# KiCad board panel.kicad_pcb (continued)
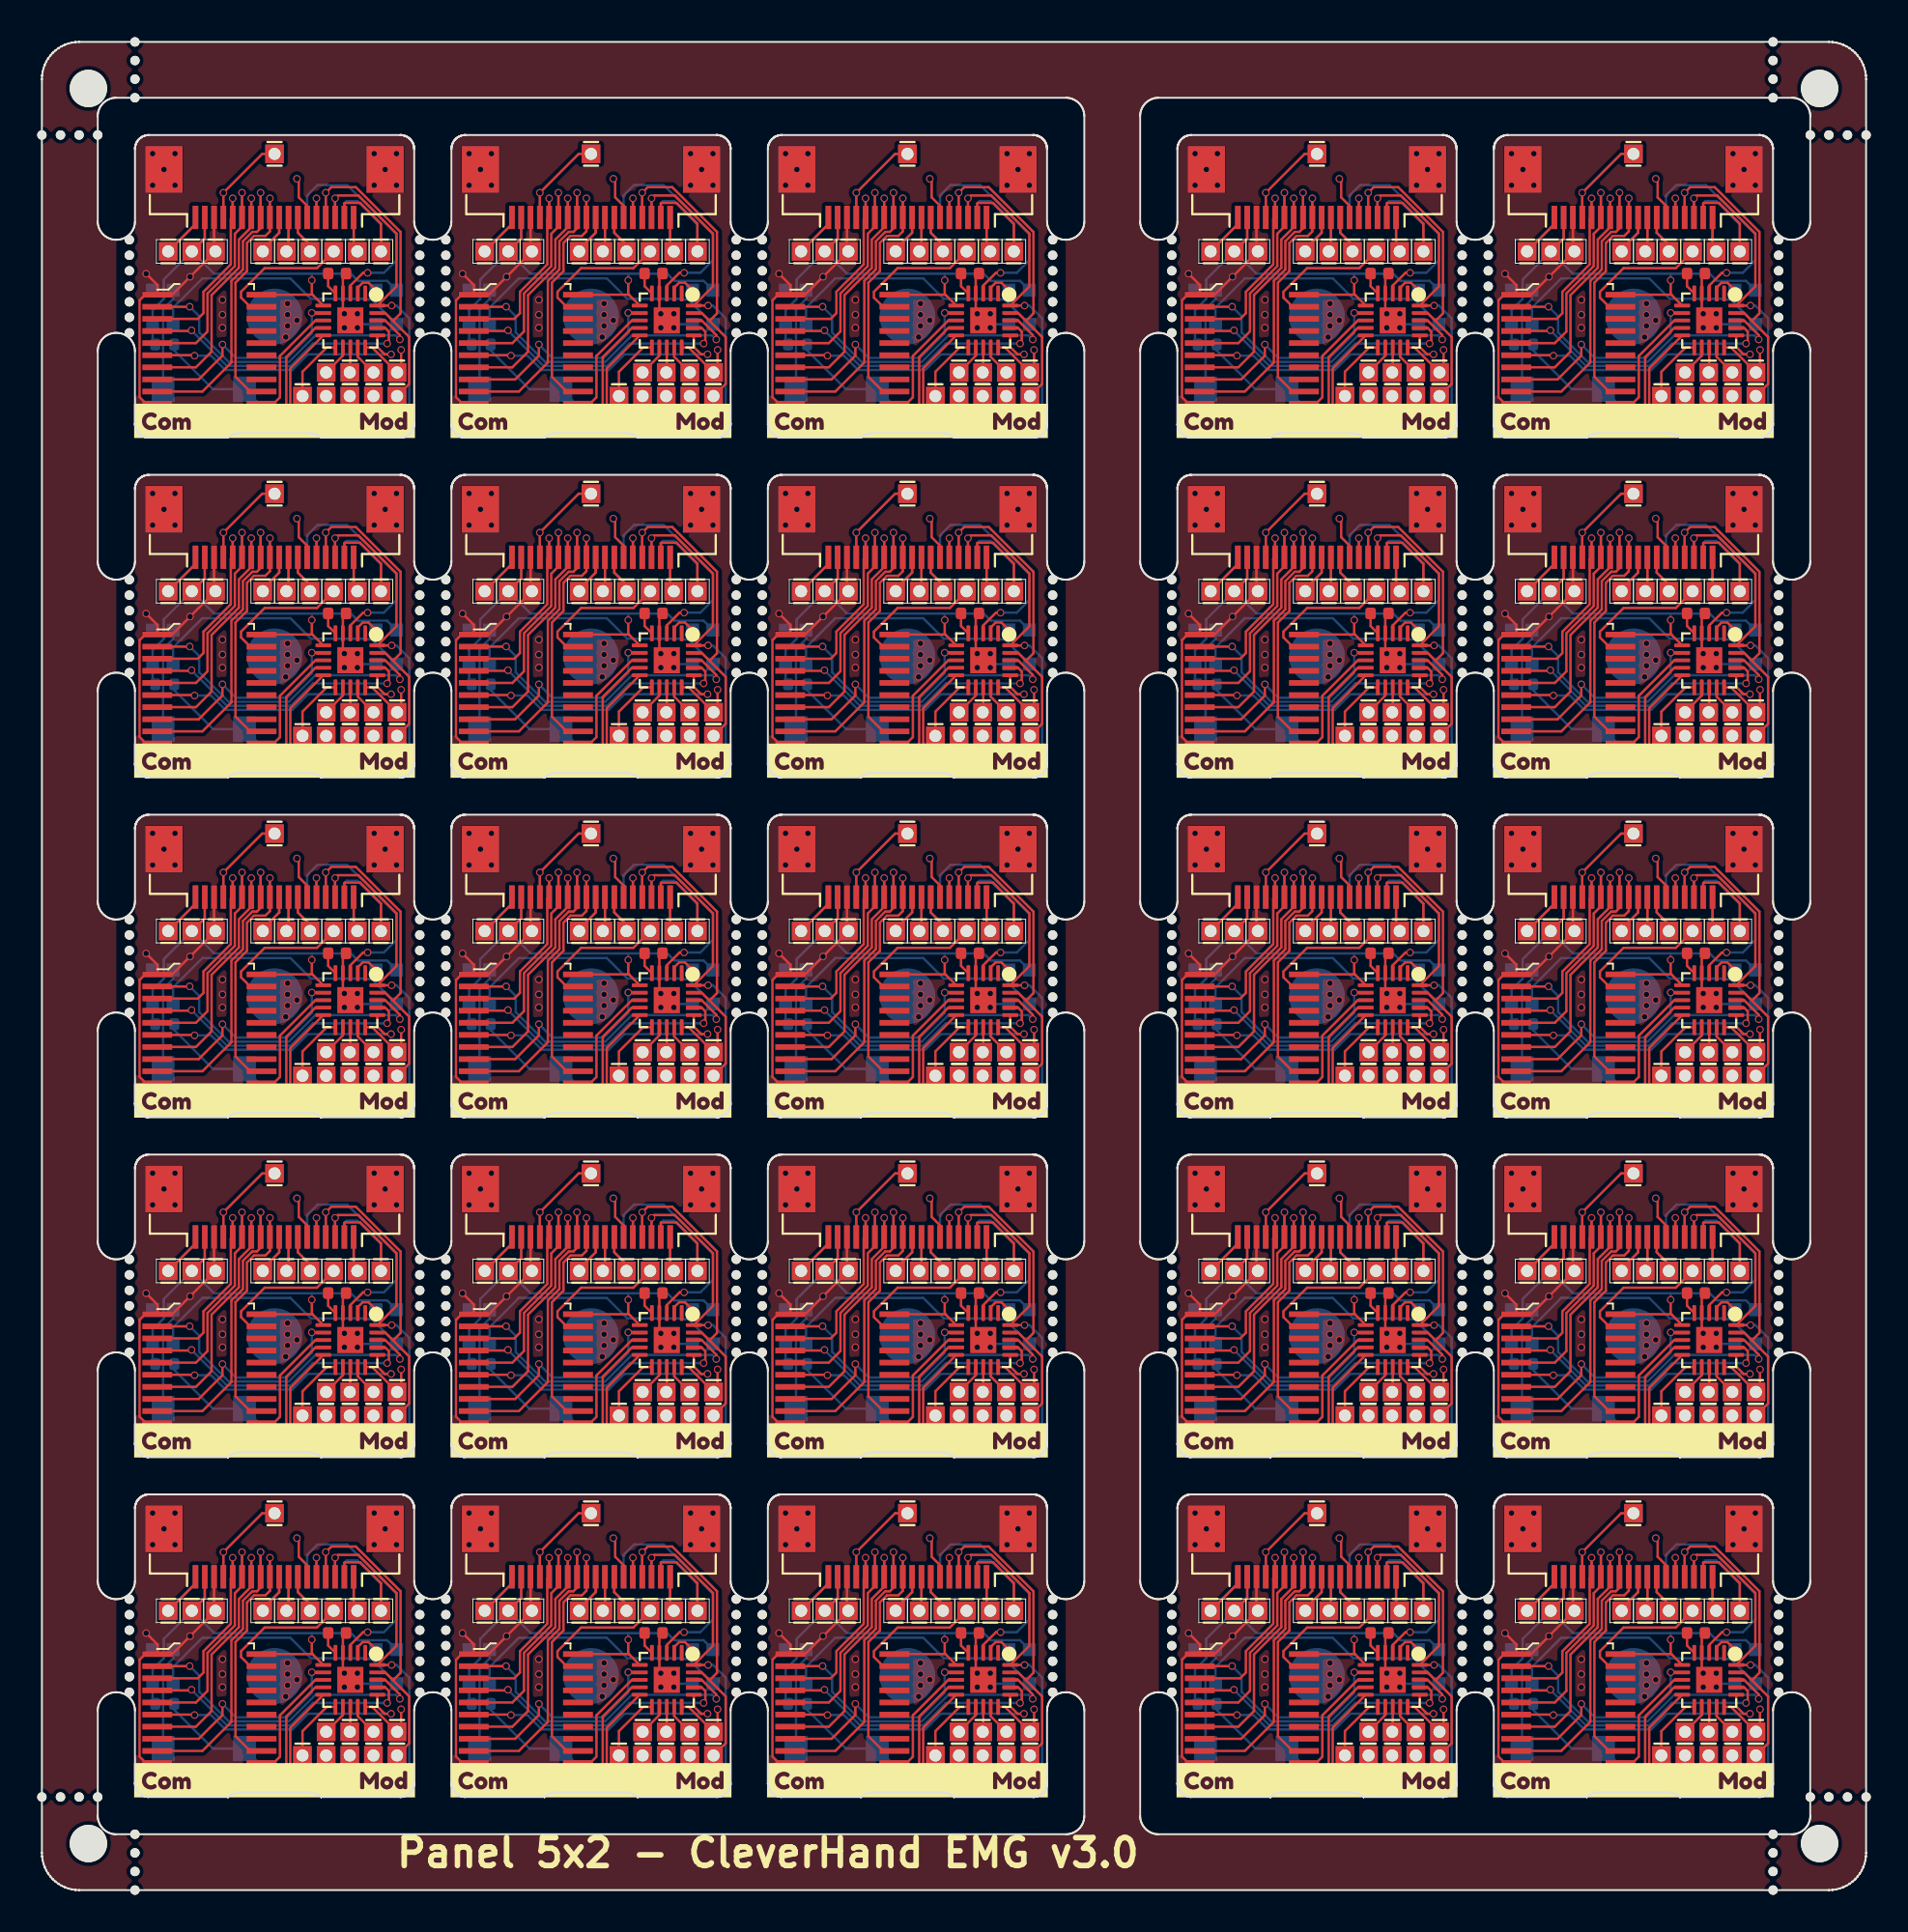
[diagram p0: board, top side]
## Routing (per net, layer and track width the routed paths; a pad name or vN(x,y) marks a point on that pad's centre or on a via; arc(x,y) is an arc through that point) (continued)
Board_21-/addr_mod_2: length 14.8
  Front w0.127: U2#4.6 25.17,9.42 v1(25.2,9.4) ; v1(35.76,9.47) 35.42,9.47 35.02,9.87 U1#10.16
  Back w0.127: v1(35.76,9.47) 31.29,9.47 30.45,8.63 26.86,8.63 26.09,9.4 v1(25.2,9.4)
Board_21-/addr_mod_3: length 12
  Front w0.127: v1(31.5,11.7) 31.68,11.7 31.69,11.69 U1#10.7 ; v1(26.7,10) 26.7,9.4 25.42,8.12 U2#4.8
  Back w0.127: v1(31.5,11.7) 31.5,10.6 30.18,9.28 27.42,9.28 v1(26.7,10)
Board_21-/addr_mod_4: length 6.5
  Front w0.127: U1#10.8 31.69,11.29 29.79,9.39 29.79,7.16 29.45,6.83 U2#4.11
Board_21-/AIN0: length 3.6
  Front w0.127: J18#4.1 31,8.54 32.3,9.84 U1#10.11
Board_21-/AUX1: length 4.9
  Front w0.127: J10#10.18 25.25,16.47 J19#12.1
  Back w0.127: J19#12.1 25.25,16.47 J10#10.18
Board_21-/AUX2: length 9.4
  Front w0.127: J20#20.1 35.22,16.48 34.1,17.6 33.28,17.6 33.25,17.58 J10#10.2
  Back w0.127: J20#20.1 35.22,16.44 33.96,17.7 33.37,17.7 33.25,17.58 J10#10.2
Board_21-/AUX3: length 6.3
  Front w0.127: J3#25.1 28.84,20.24 v1(26.75,18.15) J10#10.15
  Back w0.127: v1(26.75,18.15) J10#10.15
Board_21-/CSB: length 7.5
  Front w0.127: J8#10.1 31.77,14.1 28.97,14.1 27.7,12.83 27.7,12.52 28.19,12.03 U2#4.19
Board_21-/extRef: length 3.8
  Front w0.127: J9#22.1 33.75,15.2 J10#10.1
  Back w0.127: J9#22.1 33.75,15.2 J10#10.1
Board_21-/GPIO: length 16.9
  Front w0.127: J21#8.1 31.62,6.58 30.36,6.58 30.35,6.59 30.35,8.72 U1#10.10
  Back w0.127: R1#4.2 24.11,9.68 26.19,7.6 SW1#3.1 28.91,6.58 31.62,6.58 J21#8.1
Board_21-/i2C_SCL: length 19.6
  Front w0.127: J10#10.3 v1(32.75,17.85) 32.9,18 34.01,18 36.05,15.96 36.05,13.12 U1#10.20 v1(35.79,12.09)
  Back w0.127: v1(35.79,12.09) 36.05,12.09 36.73,11.41 36.73,6.58 35.46,6.58 J16#22.1 ; v1(32.75,17.85) J10#10.3
Board_21-/I2C_SDA: length 18.4
  Front w0.127: 35.87,11.27 36.27,11.67 36.27,16.05 33.86,18.45 32.55,18.45 v1(32.25,18.15) J10#10.4 ; 35.87,11.27 36.73,10.4 36.73,7.88 J17#4.1 ; 35.87,11.27 35.44,11.69 U1#10.19
  Back w0.127: v1(32.25,18.15) J10#10.4
Board_21-/IO1_in: length 12.2
  Front w0.127: U1#10.3 33.57,13.17 34.25,13.85 v1(34.5,13.85)
  Back w0.127: v1(34.5,13.85) 35.37,13.85 36.05,14.53 36.05,15.91 33.4,18.56 31.81,18.56 31.25,18 J4#17.13
Board_21-/IO1_out: length 19.7
  Front w0.127: v1(30.7,18.9) 30.8,18.8 30.8,17.9 31.25,17.45 J10#10.6 ; v1(36.3,9.71) 36.3,8.72 J11#13.1 34.74,9.84 U1#10.15
  In2.Cu w0.127: v1(30.7,18.9) 30.9,19.1 33.65,19.1 36.64,16.11 36.64,10.05 v1(36.3,9.71)
Board_21-/IO2: length 2.1
  Front w0.127: v1(31.75,17.85) J10#10.5
  Back w0.127: J10#10.5 v1(31.75,17.85)
Board_21-/LED_IN: length 1.6
  Front w0.127: v1(34.95,12.92) 34.55,13.32 34.23,13.32 33.97,13.05 U1#10.2
Board_21-/MISO: length 4.4
  Front w0.127: J5#12.1 28.86,15.12 29.75,16 J10#10.9
  Back w0.127: J5#12.1 28.86,15.12 29.75,16 J10#10.9
Board_21-/MOSI: length 3.7
  Front w0.127: J10#10.8 30.25,15.12 J6#14.1
  Back w0.127: J10#10.8 30.25,15.12 J6#14.1
Board_21-/MOSI_ARM: length 1.4
  Front w0.127: U1#10.13 33.57,8.53 J13#17.1
Board_21-/SCLK: length 4.2
  Front w0.127: J10#10.7 30.75,16 31.41,15.35 J7#23.1
  Back w0.127: J10#10.7 30.75,16 31.41,15.34 J7#23.1
Board_21-/SCLK_ARM: length 1.7
  Front w0.127: J14#11.1 33.17,9.4 U1#10.12
Board_21-/SPICS_ARM: length 9.3
  Front w0.127: U1#10.9 31.69,10.89 30.13,9.32 30.13,6.5 30.27,6.36 32.67,6.36 J15#9.1
Board_21-/SWDIO/MISO_ARM: length 1.7
  Front w0.127: U1#10.14 33.97,9.34 J12#9.1
Board_21-/Vcap: length 1.2
  Front w0.127: C1#8.2 32.38,13.13 U1#10.5
Board_21-GND: length 27.5
  Front w0.127: U2#4.1 22.55,12.67 22.25,12.37 22.25,7.17 22.59,6.83 U2#4.10 ; U2#4.1 24,12.67 v1(24.96,13.64) J2#9.1 26.25,15.08 J10#10.16 ; U2#4.1 23.2,13.2 v1(22.6,13.8) ; C1#8.1 33.17,13.64 U1#10.4 33.17,11.69 33.21,11.65 v1(33.25,11.65) 33.25,11.61 U1#10.21
  Back w0.127: LED1#9.2 34.13,11.09 v1(33.95,10.9) 33.76,11.09 33.66,11.09 ; v1(24.96,13.64) 24.24,12.92 LED2.2 24.05,12.44 23.51,11.9 SW1#3.2 ; J10#10.16 26.25,15.08 J2#9.1
  vias: v1(22.95,20.25) v1(22.95,18.55) v1(23.56,19.4) v1(24.15,20.25) v1(24.15,18.55) v1(26.7,12.4) v1(26.7,11.6) v1(26.7,10.9) v1(30.1,10.4) v1(30.2,12.2) v1(30.2,11.6) v1(30.2,11) v1(30.7,11.3) v1(33.25,10.9) v1(33.95,11.65) v1(34.85,20.25) v1(34.85,18.55) v1(35.44,19.4) v1(36.05,20.25) v1(36.05,18.55)
Board_21-Net-(LED1-DO): length 14.6
  Back w0.127: LED1#9.1 34.72,12.41 34.48,12.41 34.45,12.45 31.45,12.45 30.35,13.55 25.62,13.55 24.05,11.98 LED2.3
Board_22-+3.3V: length 26.7
  Front w0.127: J1#5.1 42.75,15.7 J10#3.17 ; U2#10.20 48.53,12.67 48.55,12.66 ; 48.55,12.66 U1#22.6 ; 48.55,12.66 48.5,12.71 v1(48.5,13.45)
  Back w0.127: 48.5,13.8 43.26,13.8 J1#5.1 ; 48.5,13.8 v1(48.5,13.45) ; 48.5,13.8 50.6,13.8 50.98,13.42 52.55,13.42 LED1#18.4 ; J1#5.1 40.55,13.49 40.55,12.45 39.95,11.85 LED2#15.4 39.95,10.14 R1#11.1 ; J1#5.1 42.75,15.7 J10#3.17
Board_22-/addr_bus_0: length 10.5
  Front w0.127: v1(44.25,17.85) J10#3.14 44.15,16.72 44.15,14.3 42.68,12.83 42.68,11.68 42.37,11.38 U2#10.3
  Back w0.127: J10#3.14 v1(44.25,17.85)
Board_22-/addr_bus_1: length 12.5
  Front w0.127: U2#10.5 42.27,10.08 42.9,10.7 42.9,12.74 44.37,14.21 44.37,15.95 44.75,16.33 J10#3.13 v1(44.75,18.15)
  Back w0.127: J10#3.13 v1(44.75,18.15)
Board_22-/addr_bus_2: length 13.4
  Front w0.127: U2#10.7 42.27,8.78 43.12,9.62 43.12,12.65 44.58,14.12 44.58,15.63 45.25,16.3 J10#3.12 v1(45.25,17.85)
  Back w0.127: J10#3.12 v1(45.25,17.85)
Board_22-/addr_bus_3: length 15.9
  Front w0.127: U2#10.9 42.62,7.48 44.18,9.03 44.18,13.41 44.8,14.03 44.8,15.54 45.3,16.05 45.55,16.05 45.75,16.24 J10#3.11 v1(45.75,18.15)
  Back w0.127: J10#3.11 v1(45.75,18.15)
Board_22-/addr_bus_4: length 13.5
  Front w0.127: v1(46.25,17.85) J10#3.10 46.25,16.07 46.01,15.83 45.39,15.83 45.02,15.45 45.02,13.94 44.4,13.32 44.4,8.27 45.19,7.48 U2#10.12
  Back w0.127: J10#3.10 v1(46.25,17.85)
Board_22-/addr_mod_0: length 17.2
  Front w0.127: U1#22.18 52.44,11.29 53.23,10.51 v1(53.23,10.27) ; U2#10.2 41.93,12.03 v1(41.94,12.03)
  Back w0.127: v1(53.23,10.27) 53.01,10.49 48.69,10.49 47.27,9.06 44.04,9.06 42.45,10.65 42.45,11.52 v1(41.94,12.03)
Board_22-/addr_mod_1: length 15
  Front w0.127: U2#10.4 42,10.73 v1(42.04,10.76) ; U1#22.17 52.44,10.89 52.64,10.7 52.64,10.2 52.55,10.11 v1(52.55,10.05)
  Back w0.127: v1(42.04,10.76) 42.04,10.75 43.95,8.85 47.36,8.85 48.56,10.05 v1(52.55,10.05)
Board_22-/addr_mod_2: length 14.8
  Front w0.127: U2#10.6 42.17,9.42 v1(42.2,9.4) ; v1(52.76,9.47) 52.42,9.47 52.02,9.87 U1#22.16
  Back w0.127: v1(42.2,9.4) 43.09,9.4 43.86,8.63 47.45,8.63 48.29,9.47 v1(52.76,9.47)
Board_22-/addr_mod_3: length 12
  Front w0.127: v1(48.5,11.7) 48.68,11.7 48.69,11.69 U1#22.7 ; v1(43.7,10) 43.7,9.4 42.42,8.12 U2#10.8
  Back w0.127: v1(43.7,10) 44.42,9.28 47.18,9.28 48.5,10.6 v1(48.5,11.7)
Board_22-/addr_mod_4: length 6.5
  Front w0.127: U1#22.8 48.69,11.29 46.79,9.39 46.79,7.16 46.45,6.83 U2#10.11
Board_22-/AIN0: length 3.6
  Front w0.127: U1#22.11 49.3,9.84 48,8.54 J18#10.1
Board_22-/AUX1: length 4.9
  Front w0.127: J10#3.18 42.25,16.47 J19#7.1
  Back w0.127: J19#7.1 42.25,16.47 J10#3.18
Board_22-/AUX2: length 9.4
  Front w0.127: J10#3.2 50.25,17.58 50.28,17.6 51.1,17.6 52.22,16.48 J20#4.1
  Back w0.127: J10#3.2 50.25,17.58 50.37,17.7 50.96,17.7 52.22,16.44 J20#4.1
Board_22-/AUX3: length 6.3
  Front w0.127: J3.1 45.84,20.24 v1(43.75,18.15) J10#3.15
  Back w0.127: v1(43.75,18.15) J10#3.15
Board_22-/CSB: length 7.5
  Front w0.127: U2#10.19 45.19,12.03 44.7,12.52 44.7,12.83 45.97,14.1 48.77,14.1 J8#23.1
Board_22-/extRef: length 3.8
  Front w0.127: J10#3.1 50.75,15.2 J9#15.1
  Back w0.127: J10#3.1 50.75,15.2 J9#15.1
Board_22-/GPIO: length 16.9
  Front w0.127: U1#22.10 47.35,8.72 47.35,6.59 47.36,6.58 48.62,6.58 J21#7.1
  Back w0.127: J21#7.1 48.62,6.58 45.91,6.58 SW1#22.1 43.19,7.6 41.11,9.68 R1#11.2
Board_22-/i2C_SCL: length 19.6
  Front w0.127: v1(52.79,12.09) U1#22.20 53.05,13.12 53.05,15.96 51.01,18 49.9,18 v1(49.75,17.85) J10#3.3
  Back w0.127: v1(49.75,17.85) J10#3.3 ; v1(52.79,12.09) 53.05,12.09 53.73,11.41 53.73,6.58 52.46,6.58 J16#19.1
Board_22-/I2C_SDA: length 18.4
  Front w0.127: 52.87,11.27 53.27,11.67 53.27,16.05 50.86,18.45 49.55,18.45 v1(49.25,18.15) J10#3.4 ; 52.87,11.27 52.44,11.69 U1#22.19 ; 52.87,11.27 53.73,10.4 53.73,7.88 J17#18.1
  Back w0.127: v1(49.25,18.15) J10#3.4
Board_22-/IO1_in: length 12.2
  Front w0.127: U1#22.3 50.57,13.17 51.25,13.85 v1(51.5,13.85)
  Back w0.127: J4#3.13 48.25,18 48.81,18.56 50.4,18.56 53.05,15.91 53.05,14.53 52.37,13.85 v1(51.5,13.85)
Board_22-/IO1_out: length 19.7
  Front w0.127: v1(47.7,18.9) 47.8,18.8 47.8,17.9 48.25,17.45 J10#3.6 ; v1(53.3,9.71) 53.3,8.72 J11#17.1 51.74,9.84 U1#22.15
  In2.Cu w0.127: v1(53.3,9.71) 53.64,10.05 53.64,16.11 50.65,19.1 47.9,19.1 v1(47.7,18.9)
Board_22-/IO2: length 2.1
  Front w0.127: v1(48.75,17.85) J10#3.5
  Back w0.127: J10#3.5 v1(48.75,17.85)
Board_22-/LED_IN: length 1.6
  Front w0.127: U1#22.2 50.97,13.05 51.23,13.32 51.55,13.32 v1(51.95,12.92)
Board_22-/MISO: length 4.4
  Front w0.127: J10#3.9 46.75,16 45.87,15.12 J5#9.1
  Back w0.127: J10#3.9 46.75,16 45.87,15.12 J5#9.1
Board_22-/MOSI: length 3.7
  Front w0.127: J6#4.1 47.25,15.12 J10#3.8
  Back w0.127: J6#4.1 47.25,15.12 J10#3.8
Board_22-/MOSI_ARM: length 1.4
  Front w0.127: J13#13.1 50.57,8.53 U1#22.13
Board_22-/SCLK: length 4.2
  Front w0.127: J10#3.7 47.75,16 48.41,15.35 J7#8.1
  Back w0.127: J7#8.1 48.41,15.34 47.75,16 J10#3.7
Board_22-/SCLK_ARM: length 1.7
  Front w0.127: U1#22.12 50.17,9.4 J14#24.1
Board_22-/SPICS_ARM: length 9.3
  Front w0.127: U1#22.9 48.69,10.89 47.13,9.32 47.13,6.5 47.27,6.36 49.67,6.36 J15#18.1
Board_22-/SWDIO/MISO_ARM: length 1.7
  Front w0.127: U1#22.14 50.97,9.34 J12#25.1
Board_22-/Vcap: length 1.2
  Front w0.127: U1#22.5 49.38,13.13 C1#24.2
Board_22-GND: length 27.5
  Front w0.127: v1(39.6,13.8) 40.2,13.2 U2#10.1 ; U2#10.1 39.55,12.67 39.25,12.37 39.25,7.17 39.59,6.83 U2#10.10 ; U2#10.1 41,12.67 v1(41.96,13.64) J2#4.1 43.25,15.08 J10#3.16 ; C1#24.1 50.17,13.64 U1#22.4 50.17,11.69 50.21,11.65 v1(50.25,11.65) 50.25,11.61 U1#22.21
  Back w0.127: LED1#18.2 51.13,11.09 v1(50.95,10.9) 50.76,11.09 50.66,11.09 ; SW1#22.2 40.51,11.9 41.05,12.44 LED2#15.2 41.24,12.92 v1(41.96,13.64) ; J10#3.16 43.25,15.08 J2#4.1
  vias: v1(39.95,20.25) v1(39.95,18.55) v1(40.56,19.4) v1(41.15,20.25) v1(41.15,18.55) v1(43.7,12.4) v1(43.7,11.6) v1(43.7,10.9) v1(47.1,10.4) v1(47.2,12.2) v1(47.2,11.6) v1(47.2,11) v1(47.7,11.3) v1(50.25,10.9) v1(50.95,11.65) v1(51.85,20.25) v1(51.85,18.55) v1(52.44,19.4) v1(53.05,20.25) v1(53.05,18.55)
Board_22-Net-(LED1-DO): length 14.6
  Back w0.127: LED2#15.3 41.05,11.98 42.62,13.55 47.35,13.55 48.45,12.45 51.45,12.45 51.48,12.41 51.72,12.41 LED1#18.1
Board_23-+3.3V: length 26.7
  Front w0.127: 70.55,12.66 70.5,12.71 v1(70.5,13.45) ; 70.55,12.66 U1#16.6 ; 70.55,12.66 70.53,12.67 U2#13.20 ; J10#23.17 64.75,15.7 J1#3.1
  Back w0.127: LED1#14.4 74.55,13.42 72.98,13.42 72.6,13.8 70.5,13.8 ; 70.5,13.8 65.25,13.8 J1#3.1 ; 70.5,13.8 v1(70.5,13.45) ; J10#23.17 64.75,15.7 J1#3.1 ; J1#3.1 62.55,13.49 62.55,12.45 61.95,11.85 LED2#17.4 61.95,10.14 R1#13.1
Board_23-/addr_bus_0: length 10.5
  Front w0.127: v1(66.25,17.85) J10#23.14 66.15,16.72 66.15,14.3 64.68,12.83 64.68,11.68 64.37,11.38 U2#13.3
  Back w0.127: J10#23.14 v1(66.25,17.85)
Board_23-/addr_bus_1: length 12.5
  Front w0.127: U2#13.5 64.27,10.08 64.9,10.7 64.9,12.74 66.37,14.21 66.37,15.95 66.75,16.33 J10#23.13 v1(66.75,18.15)
  Back w0.127: J10#23.13 v1(66.75,18.15)
Board_23-/addr_bus_2: length 13.4
  Front w0.127: v1(67.25,17.85) J10#23.12 67.25,16.3 66.58,15.63 66.58,14.12 65.12,12.65 65.12,9.62 64.27,8.78 U2#13.7
  Back w0.127: J10#23.12 v1(67.25,17.85)
Board_23-/addr_bus_3: length 15.9
  Front w0.127: U2#13.9 64.62,7.48 66.18,9.03 66.18,13.41 66.8,14.03 66.8,15.54 67.3,16.05 67.55,16.05 67.75,16.24 J10#23.11 v1(67.75,18.15)
  Back w0.127: J10#23.11 v1(67.75,18.15)
Board_23-/addr_bus_4: length 13.5
  Front w0.127: v1(68.25,17.85) J10#23.10 68.25,16.07 68.01,15.83 67.39,15.83 67.02,15.45 67.02,13.94 66.4,13.32 66.4,8.27 67.19,7.48 U2#13.12
  Back w0.127: J10#23.10 v1(68.25,17.85)
Board_23-/addr_mod_0: length 17.2
  Front w0.127: v1(63.94,12.03) 63.93,12.03 U2#13.2 ; v1(75.23,10.27) 75.23,10.51 74.44,11.29 U1#16.18
  Back w0.127: v1(63.94,12.03) 64.45,11.52 64.45,10.65 66.04,9.06 69.27,9.06 70.69,10.49 75.01,10.49 v1(75.23,10.27)
Board_23-/addr_mod_1: length 15
  Front w0.127: U2#13.4 64,10.73 v1(64.04,10.76) ; v1(74.55,10.05) 74.55,10.11 74.64,10.2 74.64,10.7 74.44,10.89 U1#16.17
  Back w0.127: v1(64.04,10.76) 64.04,10.75 65.95,8.85 69.36,8.85 70.56,10.05 v1(74.55,10.05)
Board_23-/addr_mod_2: length 14.8
  Front w0.127: U1#16.16 74.02,9.87 74.42,9.47 v1(74.76,9.47) ; v1(64.2,9.4) 64.17,9.42 U2#13.6
  Back w0.127: v1(64.2,9.4) 65.09,9.4 65.86,8.63 69.45,8.63 70.29,9.47 v1(74.76,9.47)
Board_23-/addr_mod_3: length 12
  Front w0.127: v1(65.7,10) 65.7,9.4 64.42,8.12 U2#13.8 ; U1#16.7 70.69,11.69 70.68,11.7 v1(70.5,11.7)
  Back w0.127: v1(70.5,11.7) 70.5,10.6 69.18,9.28 66.42,9.28 v1(65.7,10)
Board_23-/addr_mod_4: length 6.5
  Front w0.127: U2#13.11 68.45,6.83 68.79,7.16 68.79,9.39 70.69,11.29 U1#16.8
Board_23-/AIN0: length 3.6
  Front w0.127: J18#7.1 70,8.54 71.3,9.84 U1#16.11
Board_23-/AUX1: length 4.9
  Front w0.127: J19#25.1 64.25,16.47 J10#23.18
  Back w0.127: J19#25.1 64.25,16.47 J10#23.18
Board_23-/AUX2: length 9.4
  Front w0.127: J10#23.2 72.25,17.58 72.28,17.6 73.1,17.6 74.22,16.48 J20#11.1
  Back w0.127: J20#11.1 74.22,16.44 72.96,17.7 72.37,17.7 72.25,17.58 J10#23.2
Board_23-/AUX3: length 6.3
  Front w0.127: J3#17.1 67.84,20.24 v1(65.75,18.15) J10#23.15
  Back w0.127: v1(65.75,18.15) J10#23.15
Board_23-/CSB: length 7.5
  Front w0.127: J8#5.1 70.78,14.1 67.97,14.1 66.7,12.83 66.7,12.52 67.19,12.03 U2#13.19
Board_23-/extRef: length 3.8
  Front w0.127: J9#17.1 72.75,15.2 J10#23.1
  Back w0.127: J10#23.1 72.75,15.2 J9#17.1
Board_23-/GPIO: length 16.9
  Front w0.127: J21#20.1 70.62,6.58 69.36,6.58 69.35,6.59 69.35,8.72 U1#16.10
  Back w0.127: R1#13.2 63.11,9.68 65.19,7.6 SW1#16.1 67.91,6.58 70.62,6.58 J21#20.1
Board_23-/i2C_SCL: length 19.6
  Front w0.127: v1(74.79,12.09) U1#16.20 75.05,13.12 75.05,15.96 73.01,18 71.9,18 v1(71.75,17.85) J10#23.3
  Back w0.127: v1(74.79,12.09) 75.05,12.09 75.73,11.41 75.73,6.58 74.46,6.58 J16#14.1 ; v1(71.75,17.85) J10#23.3
Board_23-/I2C_SDA: length 18.4
  Front w0.127: 74.87,11.27 75.73,10.4 75.73,7.88 J17#9.1 ; 74.87,11.27 75.27,11.67 75.27,16.05 72.86,18.45 71.55,18.45 v1(71.25,18.15) J10#23.4 ; 74.87,11.27 74.44,11.69 U1#16.19
  Back w0.127: v1(71.25,18.15) J10#23.4
Board_23-/IO1_in: length 12.2
  Front w0.127: v1(73.5,13.85) 73.25,13.85 72.57,13.17 U1#16.3
  Back w0.127: J4#12.13 70.25,18 70.81,18.56 72.4,18.56 75.05,15.91 75.05,14.53 74.37,13.85 v1(73.5,13.85)
Board_23-/IO1_out: length 19.7
  Front w0.127: U1#16.15 73.74,9.84 J11#6.1 75.3,8.72 v1(75.3,9.71) ; v1(69.7,18.9) 69.8,18.8 69.8,17.9 70.25,17.45 J10#23.6
  In2.Cu w0.127: v1(69.7,18.9) 69.9,19.1 72.65,19.1 75.64,16.11 75.64,10.05 v1(75.3,9.71)
Board_23-/IO2: length 2.1
  Front w0.127: v1(70.75,17.85) J10#23.5
  Back w0.127: J10#23.5 v1(70.75,17.85)
Board_23-/LED_IN: length 1.6
  Front w0.127: v1(73.95,12.92) 73.55,13.32 73.23,13.32 72.97,13.05 U1#16.2
Board_23-/MISO: length 4.4
  Front w0.127: J10#23.9 68.75,16 67.86,15.12 J5#13.1
  Back w0.127: J5#13.1 67.86,15.12 68.75,16 J10#23.9
Board_23-/MOSI: length 3.7
  Front w0.127: J6#6.1 69.25,15.12 J10#23.8
  Back w0.127: J6#6.1 69.25,15.12 J10#23.8
Board_23-/MOSI_ARM: length 1.4
  Front w0.127: U1#16.13 72.57,8.53 J13#16.1
Board_23-/SCLK: length 4.2
  Front w0.127: J10#23.7 69.75,16 70.41,15.35 J7#2.1
  Back w0.127: J7#2.1 70.41,15.34 69.75,16 J10#23.7
Board_23-/SCLK_ARM: length 1.7
  Front w0.127: J14#9.1 72.17,9.4 U1#16.12
Board_23-/SPICS_ARM: length 9.3
  Front w0.127: J15#10.1 71.67,6.36 69.27,6.36 69.13,6.5 69.13,9.32 70.69,10.89 U1#16.9
Board_23-/SWDIO/MISO_ARM: length 1.7
  Front w0.127: J12#11.1 72.97,9.34 U1#16.14
Board_23-/Vcap: length 1.2
  Front w0.127: U1#16.5 71.38,13.13 C1#12.2
Board_23-GND: length 27.5
  Front w0.127: U1#16.21 72.25,11.61 v1(72.25,11.65) 72.21,11.65 72.17,11.69 U1#16.4 72.17,13.64 C1#12.1 ; v1(61.6,13.8) 62.2,13.2 U2#13.1 ; U2#13.10 61.59,6.83 61.25,7.17 61.25,12.37 61.55,12.67 U2#13.1 ; U2#13.1 63,12.67 v1(63.96,13.64) J2#18.1 65.25,15.08 J10#23.16
  Back w0.127: LED1#14.2 73.13,11.09 v1(72.95,10.9) 72.76,11.09 72.66,11.09 ; v1(63.96,13.64) 63.24,12.92 LED2#17.2 63.05,12.44 62.51,11.9 SW1#16.2 ; J10#23.16 65.25,15.08 J2#18.1
  vias: v1(61.95,20.25) v1(61.95,18.55) v1(62.56,19.4) v1(63.15,20.25) v1(63.15,18.55) v1(65.7,12.4) v1(65.7,11.6) v1(65.7,10.9) v1(69.1,10.4) v1(69.2,12.2) v1(69.2,11.6) v1(69.2,11) v1(69.7,11.3) v1(72.25,10.9) v1(72.95,11.65) v1(73.85,20.25) v1(73.85,18.55) v1(74.44,19.4) v1(75.05,20.25) v1(75.05,18.55)
Board_23-Net-(LED1-DO): length 14.6
  Back w0.127: LED2#17.3 63.05,11.98 64.62,13.55 69.35,13.55 70.45,12.45 73.45,12.45 73.48,12.41 73.72,12.41 LED1#14.1
Board_24-+3.3V: length 26.7
  Front w0.127: U2#15.20 87.53,12.67 87.55,12.66 ; v1(87.5,13.45) 87.5,12.71 87.55,12.66 ; 87.55,12.66 U1#20.6 ; J10#15.17 81.75,15.7 J1#15.1
  Back w0.127: 87.5,13.8 82.25,13.8 J1#15.1 ; 87.5,13.8 89.6,13.8 89.98,13.42 91.55,13.42 LED1#25.4 ; 87.5,13.8 v1(87.5,13.45) ; J1#15.1 81.75,15.7 J10#15.17 ; J1#15.1 79.55,13.49 79.55,12.45 78.95,11.85 LED2#14.4 78.95,10.14 R1#7.1
Board_24-/addr_bus_0: length 10.5
  Front w0.127: U2#15.3 81.37,11.38 81.68,11.68 81.68,12.83 83.15,14.3 83.15,16.72 J10#15.14 v1(83.25,17.85)
  Back w0.127: J10#15.14 v1(83.25,17.85)
Board_24-/addr_bus_1: length 12.5
  Front w0.127: v1(83.75,18.15) J10#15.13 83.75,16.33 83.37,15.95 83.37,14.21 81.9,12.74 81.9,10.7 81.27,10.08 U2#15.5
  Back w0.127: J10#15.13 v1(83.75,18.15)
Board_24-/addr_bus_2: length 13.4
  Front w0.127: U2#15.7 81.27,8.78 82.12,9.62 82.12,12.65 83.58,14.12 83.58,15.63 84.25,16.3 J10#15.12 v1(84.25,17.85)
  Back w0.127: J10#15.12 v1(84.25,17.85)
Board_24-/addr_bus_3: length 15.9
  Front w0.127: v1(84.75,18.15) J10#15.11 84.75,16.24 84.55,16.05 84.3,16.05 83.8,15.54 83.8,14.03 83.18,13.41 83.18,9.03 81.62,7.48 U2#15.9
  Back w0.127: J10#15.11 v1(84.75,18.15)
Board_24-/addr_bus_4: length 13.5
  Front w0.127: v1(85.25,17.85) J10#15.10 85.25,16.07 85.01,15.83 84.39,15.83 84.02,15.45 84.02,13.94 83.4,13.32 83.4,8.27 84.19,7.48 U2#15.12
  Back w0.127: J10#15.10 v1(85.25,17.85)
Board_24-/addr_mod_0: length 17.2
  Front w0.127: U1#20.18 91.44,11.29 92.23,10.51 v1(92.23,10.27) ; U2#15.2 80.93,12.03 v1(80.94,12.03)
  Back w0.127: v1(80.94,12.03) 81.45,11.52 81.45,10.65 83.04,9.06 86.27,9.06 87.69,10.49 92.01,10.49 v1(92.23,10.27)
Board_24-/addr_mod_1: length 15
  Front w0.127: v1(81.04,10.76) 81,10.73 U2#15.4 ; v1(91.55,10.05) 91.55,10.11 91.64,10.2 91.64,10.7 91.44,10.89 U1#20.17
  Back w0.127: v1(81.04,10.76) 81.04,10.75 82.95,8.85 86.36,8.85 87.56,10.05 v1(91.55,10.05)
Board_24-/addr_mod_2: length 14.8
  Front w0.127: U2#15.6 81.17,9.42 v1(81.2,9.4) ; U1#20.16 91.02,9.87 91.42,9.47 v1(91.76,9.47)
  Back w0.127: v1(91.76,9.47) 87.29,9.47 86.45,8.63 82.86,8.63 82.09,9.4 v1(81.2,9.4)
Board_24-/addr_mod_3: length 12
  Front w0.127: v1(82.7,10) 82.7,9.4 81.42,8.12 U2#15.8 ; v1(87.5,11.7) 87.68,11.7 87.69,11.69 U1#20.7
  Back w0.127: v1(82.7,10) 83.42,9.28 86.18,9.28 87.5,10.6 v1(87.5,11.7)
Board_24-/addr_mod_4: length 6.5
  Front w0.127: U2#15.11 85.45,6.83 85.79,7.16 85.79,9.39 87.69,11.29 U1#20.8
Board_24-/AIN0: length 3.6
  Front w0.127: U1#20.11 88.3,9.84 87,8.54 J18#17.1
Board_24-/AUX1: length 4.9
  Front w0.127: J10#15.18 81.25,16.47 J19#5.1
  Back w0.127: J10#15.18 81.25,16.47 J19#5.1
Board_24-/AUX2: length 9.4
  Front w0.127: J20#9.1 91.22,16.48 90.1,17.6 89.28,17.6 89.25,17.58 J10#15.2
  Back w0.127: J20#9.1 91.22,16.44 89.96,17.7 89.37,17.7 89.25,17.58 J10#15.2
Board_24-/AUX3: length 6.3
  Front w0.127: J10#15.15 v1(82.75,18.15) 84.84,20.24 J3#6.1
  Back w0.127: v1(82.75,18.15) J10#15.15
Board_24-/CSB: length 7.5
  Front w0.127: J8#16.1 87.78,14.1 84.97,14.1 83.7,12.83 83.7,12.52 84.19,12.03 U2#15.19
Board_24-/extRef: length 3.8
  Front w0.127: J10#15.1 89.75,15.2 J9#23.1
  Back w0.127: J10#15.1 89.75,15.2 J9#23.1
Board_24-/GPIO: length 16.9
  Front w0.127: U1#20.10 86.35,8.72 86.35,6.59 86.36,6.58 87.62,6.58 J21#5.1
  Back w0.127: R1#7.2 80.11,9.68 82.19,7.6 SW1#2.1 84.91,6.58 87.62,6.58 J21#5.1
Board_24-/i2C_SCL: length 19.6
  Front w0.127: v1(91.79,12.09) U1#20.20 92.05,13.12 92.05,15.96 90.01,18 88.9,18 v1(88.75,17.85) J10#15.3
  Back w0.127: J16#20.1 91.46,6.58 92.73,6.58 92.73,11.41 92.05,12.09 v1(91.79,12.09) ; v1(88.75,17.85) J10#15.3
Board_24-/I2C_SDA: length 18.4
  Front w0.127: J10#15.4 v1(88.25,18.15) 88.55,18.45 89.86,18.45 92.27,16.05 92.27,11.67 91.87,11.27 ; 91.87,11.27 92.73,10.4 92.73,7.88 J17.1 ; 91.87,11.27 91.44,11.69 U1#20.19
  Back w0.127: v1(88.25,18.15) J10#15.4
Board_24-/IO1_in: length 12.2
  Front w0.127: U1#20.3 89.57,13.17 90.25,13.85 v1(90.5,13.85)
  Back w0.127: v1(90.5,13.85) 91.37,13.85 92.05,14.53 92.05,15.91 89.4,18.56 87.81,18.56 87.25,18 J4#14.13
Board_24-/IO1_out: length 19.7
  Front w0.127: v1(92.3,9.71) 92.3,8.72 J11#10.1 90.74,9.84 U1#20.15 ; J10#15.6 87.25,17.45 86.8,17.9 86.8,18.8 v1(86.7,18.9)
  In2.Cu w0.127: v1(92.3,9.71) 92.64,10.05 92.64,16.11 89.65,19.1 86.9,19.1 v1(86.7,18.9)
Board_24-/IO2: length 2.1
  Front w0.127: v1(87.75,17.85) J10#15.5
  Back w0.127: J10#15.5 v1(87.75,17.85)
Board_24-/LED_IN: length 1.6
  Front w0.127: U1#20.2 89.97,13.05 90.23,13.32 90.55,13.32 v1(90.95,12.92)
Board_24-/MISO: length 4.4
  Front w0.127: J10#15.9 85.75,16 84.87,15.12 J5#17.1
  Back w0.127: J5#17.1 84.87,15.12 85.75,16 J10#15.9
Board_24-/MOSI: length 3.7
  Front w0.127: J6#5.1 86.25,15.12 J10#15.8
  Back w0.127: J10#15.8 86.25,15.12 J6#5.1
Board_24-/MOSI_ARM: length 1.4
  Front w0.127: U1#20.13 89.57,8.53 J13#7.1
Board_24-/SCLK: length 4.2
  Front w0.127: J7#7.1 87.41,15.35 86.75,16 J10#15.7
  Back w0.127: J10#15.7 86.75,16 87.41,15.34 J7#7.1
Board_24-/SCLK_ARM: length 1.7
  Front w0.127: J14#22.1 89.17,9.4 U1#20.12
Board_24-/SPICS_ARM: length 9.3
  Front w0.127: U1#20.9 87.69,10.89 86.13,9.32 86.13,6.5 86.27,6.36 88.67,6.36 J15#24.1
Board_24-/SWDIO/MISO_ARM: length 1.7
  Front w0.127: U1#20.14 89.97,9.34 J12#17.1
Board_24-/Vcap: length 1.2
  Front w0.127: C1#4.2 88.38,13.13 U1#20.5
Board_24-GND: length 27.5
  Front w0.127: v1(78.6,13.8) 79.2,13.2 U2#15.1 ; U1#20.21 89.25,11.61 v1(89.25,11.65) 89.21,11.65 89.17,11.69 U1#20.4 89.17,13.64 C1#4.1 ; U2#15.1 78.55,12.67 78.25,12.37 78.25,7.17 78.59,6.83 U2#15.10 ; U2#15.1 80,12.67 v1(80.96,13.64) J2#5.1 82.25,15.08 J10#15.16
  Back w0.127: J10#15.16 82.25,15.08 J2#5.1 ; SW1#2.2 79.51,11.9 80.05,12.44 LED2#14.2 80.24,12.92 v1(80.96,13.64) ; LED1#25.2 90.13,11.09 v1(89.95,10.9) 89.76,11.09 89.66,11.09
  vias: v1(78.95,20.25) v1(78.95,18.55) v1(79.56,19.4) v1(80.15,20.25) v1(80.15,18.55) v1(82.7,12.4) v1(82.7,11.6) v1(82.7,10.9) v1(86.1,10.4) v1(86.2,12.2) v1(86.2,11.6) v1(86.2,11) v1(86.7,11.3) v1(89.25,10.9) v1(89.95,11.65) v1(90.85,20.25) v1(90.85,18.55) v1(91.44,19.4) v1(92.05,20.25) v1(92.05,18.55)
Board_24-Net-(LED1-DO): length 14.6
  Back w0.127: LED1#25.1 90.72,12.41 90.48,12.41 90.45,12.45 87.45,12.45 86.35,13.55 81.62,13.55 80.05,11.98 LED2#14.3

## Copper pours and planes (outline as drawn; the poured copper is in the pictures)
(no net) on Front: 96.01,99.25 95.99,99.25 2.01,99.25 1.99,99.25 0,97.26 0,97.24 0,2.01 0,1.99 1.99,0 2.01,0 95.99,0 96.01,0 98,1.99 98,2.01 98,97.24 98,97.26 ; 25 cut-outs
(no net) on Back: 96.01,99.25 95.99,99.25 2.01,99.25 1.99,99.25 0,97.26 0,97.24 0,2.01 0,1.99 1.99,0 2.01,0 95.99,0 96.01,0 98,1.99 98,2.01 98,97.24 98,97.26 ; 25 cut-outs
(no net) on In1.Cu: 96.01,99.25 95.99,99.25 2.01,99.25 1.99,99.25 0,97.26 0,97.24 0,2.01 0,1.99 1.99,0 2.01,0 95.99,0 96.01,0 98,1.99 98,2.01 98,97.24 98,97.26 ; 25 cut-outs
(no net) on In2.Cu: 96.01,99.25 95.99,99.25 2.01,99.25 1.99,99.25 0,97.26 0,97.24 0,2.01 0,1.99 1.99,0 2.01,0 95.99,0 96.01,0 98,1.99 98,2.01 98,97.24 98,97.26 ; 25 cut-outs
Board_0-GND on Front, Back, In1.Cu, In2.Cu: 5,94.25 20,94.25 20,78 5,78
Board_1-GND on Front, Back, In1.Cu, In2.Cu: 22,94.25 37,94.25 37,78 22,78
Board_2-GND on Front, Back, In1.Cu, In2.Cu: 39,94.25 54,94.25 54,78 39,78
Board_3-GND on Front, Back, In1.Cu, In2.Cu: 61,94.25 76,94.25 76,78 61,78
Board_4-GND on Front, Back, In1.Cu, In2.Cu: 78,94.25 93,94.25 93,78 78,78
Board_5-GND on Front, Back, In1.Cu, In2.Cu: 5,76 20,76 20,59.75 5,59.75
Board_6-GND on Front, Back, In1.Cu, In2.Cu: 22,76 37,76 37,59.75 22,59.75
Board_7-GND on Front, Back, In1.Cu, In2.Cu: 39,76 54,76 54,59.75 39,59.75
Board_8-GND on Front, Back, In1.Cu, In2.Cu: 61,76 76,76 76,59.75 61,59.75
Board_9-GND on Front, Back, In1.Cu, In2.Cu: 78,76 93,76 93,59.75 78,59.75
Board_10-GND on Front, Back, In1.Cu, In2.Cu: 5,57.75 20,57.75 20,41.5 5,41.5
Board_11-GND on Front, Back, In1.Cu, In2.Cu: 22,57.75 37,57.75 37,41.5 22,41.5
Board_12-GND on Front, Back, In1.Cu, In2.Cu: 39,57.75 54,57.75 54,41.5 39,41.5
Board_13-GND on Front, Back, In1.Cu, In2.Cu: 61,57.75 76,57.75 76,41.5 61,41.5
Board_14-GND on Front, Back, In1.Cu, In2.Cu: 78,57.75 93,57.75 93,41.5 78,41.5
Board_15-GND on Front, Back, In1.Cu, In2.Cu: 5,39.5 20,39.5 20,23.25 5,23.25
Board_16-GND on Front, Back, In1.Cu, In2.Cu: 22,39.5 37,39.5 37,23.25 22,23.25
Board_17-GND on Front, Back, In1.Cu, In2.Cu: 39,39.5 54,39.5 54,23.25 39,23.25
Board_18-GND on Front, Back, In1.Cu, In2.Cu: 61,39.5 76,39.5 76,23.25 61,23.25
Board_19-GND on Front, Back, In1.Cu, In2.Cu: 78,39.5 93,39.5 93,23.25 78,23.25
Board_20-GND on Front, Back, In1.Cu, In2.Cu: 5,21.25 20,21.25 20,5 5,5
Board_21-GND on Front, Back, In1.Cu, In2.Cu: 22,21.25 37,21.25 37,5 22,5
Board_22-GND on Front, Back, In1.Cu, In2.Cu: 39,21.25 54,21.25 54,5 39,5
Board_23-GND on Front, Back, In1.Cu, In2.Cu: 61,21.25 76,21.25 76,5 61,5
Board_24-GND on Front, Back, In1.Cu, In2.Cu: 78,21.25 93,21.25 93,5 78,5

## Text on the board
F.Silkscreen: Panel 5x2 - CleverHand EMG v3.0
